# Altium PCB PCB.PcbDoc (part 1 of 2) (continued)
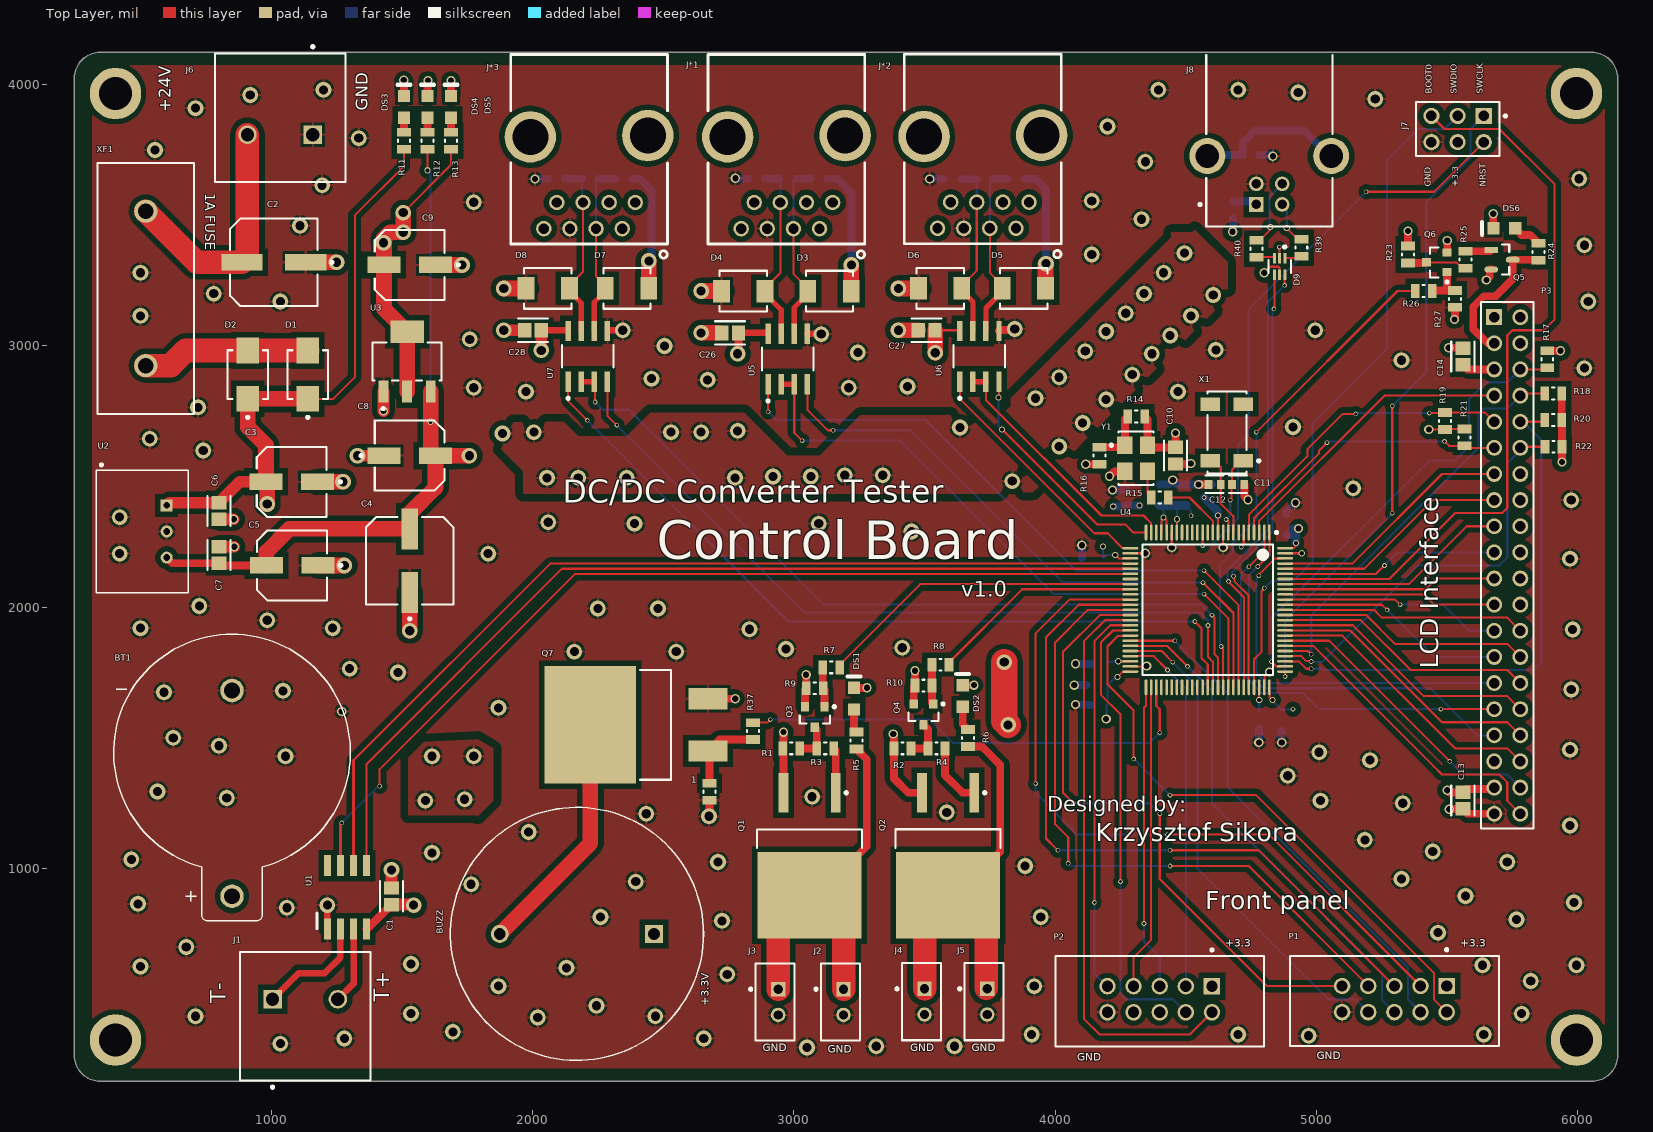
[diagram p0: Top Layer view]
## Components (designator, comment, footprint, x,y, rotation, side; value= is the part's Value field where it differs from the comment)
1 "1k" RESC2013X50X30LL20T20 2677,1294 r90 top
BT1 "1066" BAT_1066 850,1440 r0 top
C1 "100nF" FP-0805-L_2_01_0_2-W_1_25-IPC_B 1460,894 r90 top
C2 "22uF" FP-FCE-MFG 1010,3320 r180 top
C3 "10uF" FP-FKD-MFG 1078.43,2480 r180 top
C4 "22uF" FP-FCE-MFG 1530,2177.95 r90 top
C5 "10uF" FP-FKD-MFG 1080,2160 r180 top
C6 "100nF" FP-0805-L_2_01_0_2-W_1_25-IPC_B 800,2368.28 r270 top
C7 "100nF" FP-0805-L_2_01_0_2-W_1_25-IPC_B 800,2200 r90 top
C8 "1uF" FP-FKD-MFG 1530,2580 r0 top
C9 "2.2uF" FP-FKD-MFG 1530,3310 r180 top
C10 "10nF" FP-0805-L_2_01_0_2-W_1_25-IPC_B 4460,2580 r270 top
C11 "4.7p" FP-C0603C-CF-MFG 4700,2470 r0 top value="0.10 μF"
C12 "4.7p" FP-C0603C-CF-MFG 4610,2470 r0 top value="0.10 μF"
C13 "1uF" FP-0805-L_2_01_0_2-W_1_25-IPC_B 5560,1260 r270 top
C14 "1uF" FP-0805-L_2_01_0_2-W_1_25-IPC_B 5560,2960 r90 top
C15 "2.2uF" FP-0805-L_2_01_0_2-W_1_25-IPC_B 4165,1626 r180 bottom
C16 "2.2uF" FP-0805-L_2_01_0_2-W_1_25-IPC_B 4275,2417 r90 bottom
C17 "100nF" FP-CGA3E-0_3-0_1-IPC_A 4884,2316 r90 bottom
C18 "100nF" FP-CGA3E-0_3-0_1-IPC_A 4160,1702 r180 bottom
C19 "100nF" FP-CGA3E-0_3-0_1-IPC_A 4400,2430 r90 bottom
C20 "100nF" FP-CGA3E-0_3-0_1-IPC_A 4866,1568 r270 bottom
C21 "100nF" FP-CGA3E-0_3-0_1-IPC_A 4500,2430 r90 bottom
C22 "100nF" FP-CGA3E-0_3-0_1-IPC_A 4600,2430 r90 bottom
C23 "100nF" FP-CGA3E-0_3-0_1-IPC_A 4143,2189 r180 bottom
C24 "2.2uF" FP-0805-L_2_01_0_2-W_1_25-IPC_B 4166,1783 r180 bottom
C25 "2.2uF" FP-0805-L_2_01_0_2-W_1_25-IPC_B 4780,1568.28 r270 bottom
C26 "100nF" FP-0805-L_2_01_0_2-W_1_25-IPC_B 2756.46,3050 r180 top
C27 "100nF" FP-0805-L_2_01_0_2-W_1_25-IPC_B 3508.28,3060 r180 top
C28 "100nF" FP-0805-L_2_01_0_2-W_1_25-IPC_B 2001.34,3060 r180 top
D1 "MBRS130L" FP-403AF-MFG 1140,2890 r90 top
D2 "MBRS130L" FP-403AF-MFG 910,2890 r90 top
D3 "TVS" FP-SMB-MFG 3136.46,3210 r0 top
D4 "TVS" FP-SMB-MFG 2806.46,3210 r0 top
D5 "TVS" FP-SMB-MFG 3880,3220 r0 top
D6 "TVS" FP-SMB-MFG 3560,3220 r0 top
D7 "TVS" FP-SMB-MFG 2361.34,3220 r0 top
D8 "TVS" FP-SMB-MFG 2058.27,3220 r0 top
D9 "USBLC6-2P6" FP-SOT-666-MFG 4859,3304 r270 top
DS1 "LED" AVAG-HSMX-C170_V 3230,1650 r90 top
DS2 "LED" AVAG-HSMX-C170_V 3646,1660 r90 top
DS3 "LED" AVAG-HSMX-C170_V 1508,3915 r90 top
DS4 "LED" AVAG-HSMX-C170_V 1598,3915 r90 top
DS5 "LED" AVAG-HSMX-C170_V 1688,3915 r90 top
DS6 "LED" AVAG-HSMX-C170_V 5718.66,3450 r180 top
J1 "1714955" PHOE-1714955_V 1130,500 r0 top
J2 "JST" FP-B2B-EH-A_LF_SN-MFG 3178.19,489.21 r270 top
J3 "JST" FP-B2B-EH-A_LF_SN-MFG 2928.19,489.21 r270 top
J4 "JST" FP-B2B-EH-A_LF_SN-MFG 3488.19,490.79 r270 top
J5 "JST" FP-B2B-EH-A_LF_SN-MFG 3728.19,490.79 r270 top
J6 "1714955" PHOE-1714955_V 1034.16,3808.36 r180 top
J7 "M20-9980346" FP-M20-9980346-MFG 5540,3830 r180 top
J8 "67068-8011" FP-67068-8011-MFG 4819.21,3796.77 r180 top
J*1 "MTJ-880X1" MTJ-880X1 2996.46,3750 r180 top
J*2 "MTJ-880X1" MTJ-880X1 3748.16,3751.19 r180 top
J*3 "MTJ-880X1" MTJ-880X1 2241.34,3750 r180 top
P1 "30310-6002HB" 3M-30310-6002HB-10_V 5298.02,500.64 r180 top
P2 "30310-6002HB" 3M-30310-6002HB-10_V 4400,500 r180 top
P3 "TSW-120-24-F-D" SMTC-TSW-120-24-X-D 5680,3110 r270 top
Q1 "IPB80P03P4-05" INF-PG-TO263-3-2_N 3060,1049.84 r270 top
Q2 "IPB80P03P4-05" INF-PG-TO263-3-2_N 3590,1050 r270 top
Q3 "MMBTA42LT1G" ONSC-SOT-23-3-318-08_V 3080,1580 r270 top
Q4 "MMBTA42LT1G" ONSC-SOT-23-3-318-08_V 3496,1590 r270 top
Q5 "FDN360P" FP-527AG-IPC_B 5710,3330 r0 top
Q6 "MMBTA42LT1G" ONSC-SOT-23-3-318-08_V 5460,3320 r180 top
Q7 "IRF530NSTRLPBF" FP-PG-TO263-3-MFG 2340,1550 r90 top
R1 "10k" RESC2013X50X30LL20T20 2990,1460 r180 top
R2 "10k" RESC2013X50X30LL20T20 3416,1460 r180 top
R3 "1k" RESC2013X50X30LL20T20 3120,1460 r0 top
R4 "1k" RESC2013X50X30LL20T20 3546,1460 r0 top
R5 "2.2k" RESC2013X50X30LL20T20 3240,1490 r270 top
R6 "2.2k" RESC2013X50X30LL20T20 3666,1500 r270 top
R7 "1k" RESC2013X50X30LL20T20 3143,1770 r180 top
R8 "1k" RESC2013X50X30LL20T20 3561,1780 r180 top
R9 "100k" RESC2013X50X30LL20T20 3080,1690 r0 top
R10 "100k" RESC2013X50X30LL20T20 3496,1700 r0 top
R11 "2.2k" RESC2013X50X30LL20T20 1508,3785 r270 top
R12 "470" RESC2013X50X30LL20T20 1598,3785 r270 top
R13 "330" RESC2013X50X30LL20T20 1688,3785 r270 top
R14 "100k" RESC2013X50X30LL20T20 4310,2730 r0 top
R15 "100" RESC2013X50X30LL20T20 4400,2420 r0 top
R16 "100k" RESC2013X50X30LL20T20 4170,2580 r90 top
R17 "47k" RESC2013X50X30LL20T20 5883,2949 r90 top
R18 "47k" RESC2013X50X30LL20T20 5906,2818 r0 top
R19 "47k" RESC2013X50X30LL20T20 5492,2713 r270 top
R20 "47k" RESC2013X50X30LL20T20 5906,2717 r0 top
R21 "47k" RESC2013X50X30LL20T20 5566,2650 r90 top
R22 "47k" RESC2013X50X30LL20T20 5907,2614 r0 top
R23 "10k" RESC2013X50X30LL20T20 5350,3350 r90 top
R24 "470" RESC2013X50X30LL20T20 5850,3360 r270 top
R25 "1k" RESC2013X50X30LL20T20 5570,3330 r90 top
R26 "1k" RESC2013X50X30LL20T20 5410,3210 r0 top
R27 "100k" RESC2013X50X30LL20T20 5530,3180 r90 top
R28 "680" RESC2013X50X30LL20T20 3096.46,3640 r0 bottom
R29 "120" RESC2013X50X30LL20T20 2976.46,3640 r0 bottom
R30 "680" RESC2013X50X30LL20T20 2856.46,3640 r0 bottom
R31 "680" RESC2013X50X30LL20T20 3850,3640 r0 bottom
R32 "120" RESC2013X50X30LL20T20 3730,3640 r0 bottom
R33 "680" RESC2013X50X30LL20T20 3607.52,3640 r0 bottom
R34 "680" RESC2013X50X30LL20T20 2348.86,3640 r0 bottom
R35 "120" RESC2013X50X30LL20T20 2221.34,3640 r0 bottom
R36 "680" RESC2013X50X30LL20T20 2091.34,3640 r0 bottom
R37 "1k" RESC2013X50X30LL20T20 2844,1526 r270 top
R38 "0" RESC2013X50X30LL20T20 4680,3520 r270 bottom
R39 "27" RESC2013X50X30LL20T20 4942,3376 r270 top
R40 "27" RESC2013X50X30LL20T20 4770,3372 r270 top
R41 "0" RESC2013X50X30LL20T20 4750,3730 r180 bottom
U1 "MAX6675" SO08 1290,890 r0 top
U2 "AMSRI1-7805-NZ" SIP750W46P254L1400H1010Q3 530,2390 r270 top
U3 "TLV76133" FP-DCY0004A-MFG 1520,2940 r90 top
U4 "STM32F401VET6" STM-LQFP100_L 4583.74,1990 r270 top
U5 "MAX3485EESA+" FP-S8-5-MFG 2976.46,2950 r90 top
U6 "MAX3485EESA+" FP-S8-5-MFG 3710,2960 r90 top
U7 "MAX3485EESA+" FP-S8-5-MFG 2211.34,2960 r90 top
X1 "ABS25-32.768KHZ-6-T" ABRA-ABS25-4_V 4657.01,2668.27 r90 top
XF1 "Fuse 1A" 696106003002 520,3220 r270 top
Y1 "ASFL1-8.000MHZ-EK-T" FP-ASFL1-MFG 4310,2570 r270 top

## Footprints (in the part's own frame and the unit in brackets; to place one, negate y for a bottom-side part, rotate by r counter-clockwise, add the part's x,y. Pads: shape width x height; smd on the part's side, far side on the other; paste and mask are expansions set on the pad)
3M-30310-6002HB-10_V [mm] "CONN, 10-Leads, Body 20.3x8.4mm, Pitch 2.54mm"
  rect 1.6x1.6 hole 1.09: 1(-5.08,-1.27)
  round 1.6 hole 1.09: 2(-5.08,1.27) 3(-2.54,-1.27) 4(-2.54,1.27) 5(0,-1.27) 6(0,1.27) 7(2.54,-1.27) 8(2.54,1.27) 9(5.08,-1.27) 10(5.08,1.27)
  silkscreen extent -10.15,-4.92 10.15,4.58, body extent -10.15,-4.2 10.15,4.61, height 8.89
696106003002 [mm] "FUSEHOLDER BLOCKS - PCB - CLIP COVER - THT"
  round 2.25 hole 1.5: 1(-7.5,0) 2(7.5,0)
  silkscreen extent -12.2,-4.7 12.2,4.7, body extent -12.2,-4.7 12.2,4.7, height 11.55
ABRA-ABS25-4_V [mm] "SMD, 4-Leads, Body 8x3.8mm, Pitch 5.5mm, Height 2.5mm"
  rect 1.3x1.9 smd: 1(-2.75,-1.6) 2(2.75,-1.6) 3(2.75,1.6) 4(-2.75,1.6)
  silkscreen extent -4,-3.22 4,1.9, body extent -4,-2 4,2, height 2.66
AVAG-HSMX-C170_V [mm] "SMD, 2-Leads, Body 2x1.25mm, Height 0.8mm"
  rect 1.2x1.2 smd: 1(-1.05,0) 2(1.05,0)
  silkscreen extent 2.15,-0.63 2.15,0.63, body extent -1,-0.63 1,0.63, height 0.8
BAT_1066 [mm]
  round 2.28 hole 1.52: N(0,6.13) P(0,-13.87)
  silkscreen extent -11.5,-16.27 11.5,11.61, body extent -11.45,-16.13 11.56,11.81, height 7.75
FP-403AF-MFG [mm]
  rect 2.5x2.2 smd paste+0 mask+0: 1(-2.35,0) 2(2.35,0)
  silkscreen extent -4.27,-1.97 2.37,1.97, body extent -3.7,-2.07 3.7,2.07, height 0.25
FP-527AG-IPC_B [mm]
  rect 1.336x0.585 smd paste+0 mask+0: 1(-1.04,0.95)
  rrect100% 1.336x0.585 smd paste+0 mask+0: 2(-1.04,-0.95) 3(1.04,0)
  silkscreen extent 0,-1.46 0.7,1.46, body extent -1.96,-1.71 1.96,1.71, height 0.25
FP-0805-L_2_01_0_2-W_1_25-IPC_B [mil]
  rect 51.36x57.33 smd paste+0 mask+0: 1(-31.72,0) 2(31.72,0)
  silkscreen extent -57,-44 57,44, body extent -67,-39 67,39, height 10
FP-67068-8011-MFG [mm]
  rect 1.42x1.42 hole 0.92 paste-2539.97 mask+0: 1(1.25,6.49)
  round 1.42 hole 0.92 paste-2539.97 mask+0: 2(-1.25,6.49) 3(-1.25,4.49) 4(1.25,4.49)
  round 3.5 hole 2.3 paste-2539.97 mask+0: 5(-6.02,1.78) 6(6.02,1.78)
  silkscreen extent -6.12,-8.05 6.85,8.62, body extent -7.87,-8.72 7.87,8.72, height 0.25
FP-ASFL1-MFG [mm]
  rect 1.7x1.5 smd paste+0 mask+0: 1(-1.27,-1.1) 2(1.27,-1.1) 3(1.27,1.1) 4(-1.27,1.1)
  silkscreen extent -2.6,-2.54 2.6,1.7, body extent -2.5,-1.6 2.5,1.6, height 1.3
FP-B2B-EH-A_LF_SN-MFG [mm]
  rect 1.4x1.4 hole 0.9 paste-2539.97 mask+0: 1(-1.25,0.3)
  round 1.4 hole 0.9 paste-2539.97 mask+0: 2(1.25,0.3)
  silkscreen extent -3.75,-2.5 3.75,1.9, body extent -3.85,-2 3.85,2, height 0.25
FP-C0603C-CF-MFG [mm]
  rect 0.75x0.9 smd paste+0 mask+0: 1(-0.6,0) 2(0.6,0)
  silkscreen extent -0.87,-0.85 0.88,0.85, body extent -1.2,-0.6 1.2,0.6, height 0.25
FP-CGA3E-0_3-0_1-IPC_A [mm]
  rect 0.956x1.206 smd paste+0 mask+0: 1(-1.025,0) 2(1.025,0)
  silkscreen extent -0.25,-0.6 0.25,0.6, body extent -0.8,-0.4 0.8,0.4, height 1.1
FP-DCY0004A-MFG [mm]
  rect 2.15x0.95 smd paste+0 mask+0: 1(-2.9,2.3) 2(-2.9,0) 3(-2.9,-2.3)
  rect 2.15x3.25 smd paste+0 mask+0: 4(2.9,0)
  silkscreen extent -4.7,-3.35 1.85,3.35, body extent -4.08,-3.45 4.08,3.45, height 0.25
FP-FCE-MFG [mm]
  rect 4x1.6 smd paste+0 mask+0: 1(-3.1,0) 2(3.1,0)
  silkscreen extent -5.77,-4.25 4.25,4.25, body extent -5.35,-4.5 5.35,4.5, height 0.25
FP-FKD-MFG [mm]
  rect 3.2x1.6 smd paste+0 mask+0: 1(-2.5,0) 2(2.5,0)
  silkscreen extent -4.85,-3.4 3.4,3.4, body extent -4.35,-3.65 4.35,3.65, height 0.25
FP-M20-9980346-MFG [mm]
  rect 1.57x1.57 hole 1.02 paste-2539.97 mask+0: 1(-2.54,-1.27)
  round 1.57 hole 1.02 paste-2539.97 mask+0: 2(-2.54,1.27) 3(0,-1.27) 4(0,1.27) 5(2.54,-1.27) 6(2.54,1.27)
  silkscreen extent -4.76,-2.64 4.06,2.64, body extent -4.16,-2.74 4.16,2.74, height 0.25
FP-PG-TO263-3-MFG [mm]
  rect 2.08x3.81 smd paste+0 mask+0: 1(-2.54,-8.417) 3(2.54,-8.417)
  rect 11.43x8.89 smd paste+0 mask+0: 4(0,3.013)
  silkscreen extent -5.34,-4.82 5.34,-1.81, body extent -4.75,-8.39 5.41,6.85, height 4.83
FP-S8-5-MFG [mm]
  rect 1.98x0.53 smd paste+0 mask+0: 1(-2.465,1.905) 2(-2.465,0.635) 3(-2.465,-0.635) 4(-2.465,-1.905) 5(2.465,-1.905) 6(2.465,-0.635) 7(2.465,0.635) 8(2.465,1.905)
  silkscreen extent -4.2,-2.5 1.1,2.5, body extent -3.55,-2.75 3.55,2.75, height 0.25
FP-SMB-MFG [mm]
  rect 1.62x2.18 smd paste+0 mask+0: 1(-2.11,0) 2(2.11,0)
  silkscreen extent -2.3,-1.97 2.3,1.97, body extent -2.68,-1.81 2.68,1.81, height 2.65
FP-SOT-666-MFG [mm]
  rect 0.99x0.3 smd paste+0 mask+0: 1(-0.805,0.5) 2(-0.805,0) 3(-0.805,-0.5) 4(0.805,-0.5) 5(0.805,0) 6(0.805,0.5)
  silkscreen extent -2.02,-1.1 0.65,1.1, body extent -1.4,-0.95 1.4,0.95, height 0.25
INF-PG-TO263-3-2_N [mm] "DPAK, 3-Leads, Body 10x9.25mm, Pitch 2.54mm, IPC Medium Density"
  rect 3.85x0.95 smd: 1(-6.1,2.54) 3(-6.1,-2.54)
  rect 8.4x10.1 smd: 2(3.85,0)
  silkscreen extent -6.22,-5.1 -0.75,5.1, body extent -2.55,-5.1 6.9,5.1, height 4.4
MTJ-880X1 [mm]
  round 1.5 hole 1: 1(-3.857,5.11) 2(-2.587,7.65) 3(-1.317,5.11) 4(-0.047,7.65) 5(1.223,5.11) 6(2.493,7.65) 7(3.763,5.11) 8(5.033,7.65)
  round 5 hole 3.5: MNT2(6.35,-1.27) MTN1(-5.08,-1.397)
  silkscreen extent -6.99,-9.27 8.26,10.52, body extent -7.11,-9.26 8.13,9, height 12
ONSC-SOT-23-3-318-08_V [mm] "SOT23, 3-Leads, Body 2.92x1.3mm, Pitch 0.95mm"
  rect 0.9x0.8 smd: 1(-1,0.95) 2(-1,-0.95) 3(1,0)
  silkscreen extent -1.12,-1.46 0.65,2.03, body extent -0.65,-1.46 0.65,1.46, height 1.11
PHOE-1714955_V [mm] "Terminal Block, 2-Leads, Body 12.7x12.5mm, Pitch 6.35mm"
  rect 1.8x1.8 hole 1.3: 1(-3.175,0)
  round 1.8 hole 1.3: 2(3.175,0)
  silkscreen extent -6.35,-8.67 6.35,4.6, body extent -6.92,-7.9 6.35,4.6, height 21.51
RESC2013X50X30LL20T20 [mm] "Chip Resistor, 2-Leads, Body 2.00x1.25mm, IPC High Density"
  rect 0.85x1.35 smd: 1(-0.825,0) 2(0.825,0)
  silkscreen extent -0.1,-0.58 0.1,0.58, body extent -1.1,-0.72 1.1,0.72, height 0.5
SIP750W46P254L1400H1010Q3 [mil]
  rect 45.98x45.98 / inner round 45.98 / far side rect 45.98x45.98 hole 25.98: 1(0,70)
  round 45.98 hole 25.98: 2(100,70) 3(200,70)
  silkscreen extent -159,-200 335,153, body extent -126,-200 326,154, height 689
SMTC-TSW-120-24-X-D [mm] ".025 SQ Post Terminal Strip Assembly, 2x20 Pins, Vertical, 2.54mm Pitch, Male"
  rect 1.55x1.55 hole 1.02: 1(0,0)
  round 1.55 hole 1.02: 2(0,2.54) 3(2.54,0) 4(2.54,2.54) 5(5.08,0) 6(5.08,2.54) 7(7.62,0) 8(7.62,2.54) 9(10.16,0) 10(10.16,2.54) 11(12.7,0) 12(12.7,2.54) 13(15.24,0) 14(15.24,2.54) 15(17.78,0) 16(17.78,2.54) 17(20.32,0) 18(20.32,2.54) 19(22.86,0) 20(22.86,2.54) 21(25.4,0) 22(25.4,2.54) 23(27.94,0) 24(27.94,2.54) 25(30.48,0) 26(30.48,2.54) 27(33.02,0) 28(33.02,2.54) 29(35.56,0) 30(35.56,2.54) 31(38.1,0) 32(38.1,2.54) 33(40.64,0) 34(40.64,2.54) 35(43.18,0) 36(43.18,2.54) 37(45.72,0) 38(45.72,2.54) 39(48.26,0) 40(48.26,2.54)
  silkscreen extent -1.46,-1.27 49.72,3.81, body extent -1.27,-1.27 49.53,3.81, height 9.27
SO08 [mil]
  rect 26x80 smd: 1(-75,-121) 2(-25,-121) 3(25,-121) 4(75,-121) 5(75,121) 6(25,121) 7(-25,121) 8(-75,121)
  silkscreen extent -115,-120 -115,-60, body extent -96,-118 96,118, height 69
STM-LQFP100_L [mm] "Thin QFP, 100-Leads, Body 14x14mm, Pitch 0.5mm, IPC High Density"
  oval 1.55x0.25 smd: 1(-7.525,6) 2(-7.525,5.5) 3(-7.525,5) 4(-7.525,4.5) 5(-7.525,4) 6(-7.525,3.5) 7(-7.525,3) 8(-7.525,2.5) 9(-7.525,2) 10(-7.525,1.5) 11(-7.525,1) 12(-7.525,0.5) 13(-7.525,0) 14(-7.525,-0.5) 15(-7.525,-1) 16(-7.525,-1.5) 17(-7.525,-2) 18(-7.525,-2.5) 19(-7.525,-3) 20(-7.525,-3.5) 21(-7.525,-4) 22(-7.525,-4.5) 23(-7.525,-5) 24(-7.525,-5.5) 25(-7.525,-6) 51(7.525,-6) 52(7.525,-5.5) 53(7.525,-5) 54(7.525,-4.5) 55(7.525,-4) 56(7.525,-3.5) 57(7.525,-3) 58(7.525,-2.5) 59(7.525,-2) 60(7.525,-1.5) 61(7.525,-1) 62(7.525,-0.5) 63(7.525,0) 64(7.525,0.5) 65(7.525,1) 66(7.525,1.5) 67(7.525,2) 68(7.525,2.5) 69(7.525,3) 70(7.525,3.5) 71(7.525,4) 72(7.525,4.5) 73(7.525,5) 74(7.525,5.5) 75(7.525,6)
  oval 0.25x1.55 smd: 26(-6,-7.525) 27(-5.5,-7.525) 28(-5,-7.525) 29(-4.5,-7.525) 30(-4,-7.525) 31(-3.5,-7.525) 32(-3,-7.525) 33(-2.5,-7.525) 34(-2,-7.525) 35(-1.5,-7.525) 36(-1,-7.525) 37(-0.5,-7.525) 38(0,-7.525) 39(0.5,-7.525) 40(1,-7.525) 41(1.5,-7.525) 42(2,-7.525) 43(2.5,-7.525) 44(3,-7.525) 45(3.5,-7.525) 46(4,-7.525) 47(4.5,-7.525) 48(5,-7.525) 49(5.5,-7.525) 50(6,-7.525) 76(6,7.525) 77(5.5,7.525) 78(5,7.525) 79(4.5,7.525) 80(4,7.525) 81(3.5,7.525) 82(3,7.525) 83(2.5,7.525) 84(2,7.525) 85(1.5,7.525) 86(1,7.525) 87(0.5,7.525) 88(0,7.525) 89(-0.5,7.525) 90(-1,7.525) 91(-1.5,7.525) 92(-2,7.525) 93(-2.5,7.525) 94(-3,7.525) 95(-3.5,7.525) 96(-4,7.525) 97(-4.5,7.525) 98(-5,7.525) 99(-5.5,7.525) 100(-6,7.525)
  silkscreen extent -7.65,-6.35 6.35,6.8, body extent -7,-7 7,7, height 1.6

## Part data
1 R1 R2 R3 R4 R5 R6 R7 R8 R9 R10 R11 R12 R13 R14 R15 R16 R17 R18 R19 R20 R21 R22 R23 R24 R25 R26 R27 R28 R29 R30 R31 R32 R33 R34 R35 R36 R37 R38 R39 R40 R41: library part CMP-2001-04896-1, Manufacturer="Vishay Dale", Part Number=CRCW08050000Z0EA
BT1: Package=None, Availability=Unavailable, MP=1066, Price=None
C1 C26 C27 C28: library part CMP-2007-04174-2, "General Purpose Ceramic Capacitor, 0805, 100nF, 10%, X7R, 15%, 100V", Case Code (Imperial)=0805, Case Code (Metric)=2012, Dielectric=X7R, Dielectric Material=Ceramic, Max Operating Temperature=125°C, Min Operating Temperature=-55°C, Package Quantity=2000, Tolerance=10%, Voltage=100V, Capacitance=100nF, Case/Package=0805, Construction=Flat, Contact Plating=Tin, Depth=1.25mm, Height=1.4mm, Lead Free="Lead Free", Length=2.01mm, Mount="Surface Mount", Number of Pins=2, Packaging="Tape and Reel", Radiation Hardening=No, REACH SVHC="No SVHC", RoHS Compliant=Yes, Series=-, Termination=SMD/SMT, Thickness=0.055inch, Voltage Rating=100V, Voltage Rating (DC)=100V, Width=0.049inch
C2 C4: library part CMP-05427-002128-1, "CAP ALUM 22UF 20% 50V SMD", Case/Package=Radial, Dielectric Material=Aluminium, ESR (Equivalent Series Resistance)=700mR, Leakage Current=3uA, Max Operating Temperature=105°C, Min Operating Temperature=-40°C, Package Quantity=1000, Ripple Current=120mA, Tolerance=20%, Voltage=50V, Capacitance=22uF, Construction=Cylindrical, Contact Plating=Tin, Diameter=8mm, Height=6.2mm, Height - Seated (Max)=0.244inch, Impedance=700mR, Lead Free="Lead Free", Lead Length=3.4mm, Lead Pitch=2.2mm, Length=6.5mm, Life (Hours)=1000Hour, Material=Aluminium, Mount="Surface Mount", Number of Pins=2, Packaging="Tape and Reel", Polarity=Polar, Radiation Hardening=No, Reach SVHC Compliant=Yes, Ripple Current (AC)=120mA, RoHS Compliant=Yes, Series=FC, Termination=SMD/SMT, Voltage Rating=50V, Voltage Rating (DC)=50V, Width=8.3mm
C3 C5: library part CMP-2000-06207-2, "CAP ALUM 10UF 20% 50V SMD", Case/Package=Radial, ESR (Equivalent Series Resistance)=880mR, Leakage Current=3uA, Max Operating Temperature=105°C, Min Operating Temperature=-55°C, Package Quantity=1000, Ripple Current=165mA, Tolerance=20%, Voltage=50V, Capacitance=10uF, Construction=Cylindrical, Contact Plating=Tin, Diameter=6.3mm, Height=5.8mm, Height - Seated (Max)=0.24inch, Impedance=880mR, Lead Diameter=0.65mm, Lead Free="Lead Free", Lead Pitch=1.8mm, Length=5.8mm, Life (Hours)=2000Hour, Mount="Surface Mount", Number of Pins=2, Packaging="Tape and Reel", Polarity=Polar, Radiation Hardening=No, REACH SVHC="No SVHC", Ripple Current (AC)=165mA, RoHS Compliant=Yes, Series=FK, Size=5.8mm, Termination=SMD/SMT, Voltage Rating=50V, Voltage Rating (DC)=50V, Width=7.8mm
C6 C7: library part CMP-2007-04174-2, "General Purpose Ceramic Capacitor, 0805, 10nF, 10%, X7R, 15%, 100V", Case Code (Imperial)=0805, Case Code (Metric)=2012, Dielectric=X7R, Dielectric Material=Ceramic, Max Operating Temperature=125°C, Min Operating Temperature=-55°C, Package Quantity=2000, Tolerance=10%, Voltage=100V, Capacitance=100nF, Case/Package=0805, Construction=Flat, Contact Plating=Tin, Depth=1.25mm, Height=1.4mm, Lead Free="Lead Free", Length=2.01mm, Mount="Surface Mount", Number of Pins=2, Packaging="Tape and Reel", Radiation Hardening=No, REACH SVHC="No SVHC", RoHS Compliant=Yes, Series=-, Termination=SMD/SMT, Thickness=0.055inch, Voltage Rating=100V, Voltage Rating (DC)=100V, Width=0.049inch
C8 C9: library part CMP-2000-06207-2, "CAP ALUM 10UF 20% 50V SMD", Capacitance=10uF, Case/Package=Radial, ESR (Equivalent Series Resistance)=880mR, Leakage Current=3uA, Max Operating Temperature=105°C, Min Operating Temperature=-55°C, Package Quantity=1000, Ripple Current=165mA, Tolerance=20%, Voltage=50V, Construction=Cylindrical, Contact Plating=Tin, Diameter=6.3mm, Height=5.8mm, Height - Seated (Max)=0.24inch, Impedance=880mR, Lead Diameter=0.65mm, Lead Free="Lead Free", Lead Pitch=1.8mm, Length=5.8mm, Life (Hours)=2000Hour, Mount="Surface Mount", Number of Pins=2, Packaging="Tape and Reel", Polarity=Polar, Radiation Hardening=No, REACH SVHC="No SVHC", Ripple Current (AC)=165mA, RoHS Compliant=Yes, Series=FK, Size=5.8mm, Termination=SMD/SMT, Voltage Rating=50V, Voltage Rating (DC)=50V, Width=7.8mm
C10 C15 C16 C24 C25: library part CMP-2007-04174-2, "General Purpose Ceramic Capacitor, 0805, 10nF, 10%, X7R, 15%, 100V", Capacitance=100nF, Case Code (Imperial)=0805, Case Code (Metric)=2012, Dielectric=X7R, Dielectric Material=Ceramic, Max Operating Temperature=125°C, Min Operating Temperature=-55°C, Package Quantity=2000, Tolerance=10%, Voltage=100V, Case/Package=0805, Construction=Flat, Contact Plating=Tin, Depth=1.25mm, Height=1.4mm, Lead Free="Lead Free", Length=2.01mm, Mount="Surface Mount", Number of Pins=2, Packaging="Tape and Reel", Radiation Hardening=No, REACH SVHC="No SVHC", RoHS Compliant=Yes, Series=-, Termination=SMD/SMT, Thickness=0.055inch, Voltage Rating=100V, Voltage Rating (DC)=100V, Width=0.049inch
C11 C12: library part CMP-2006-03061-2, "CAP CER 0.1UF 50V X7R 0603", Capacitance="0.10 μF", Manufacturer=KEMET, Manufacturer Part Number=C0603C104K5RACTU, Package=C0603C-CF, Temperature="-55°C to +125°C", Temperature Characteristic=X7R, Temperature Coefficient=30ppm/°C, Temperature Range High=+125°C, Temperature Range Low=-55°C, Tolerance=0.1, Voltage Rating="50 V", Automotive=Yes, Automotive Grade="Grade 1", Category=Cap, ComponentLink2Description=Datasheet, ComponentLink2URL=https://api.kemet.com/component-edge/download/datasheet/C0603C100J5GACAUTO.pdf, Device Class L1="Passive Components", Device Class L2=Capacitors, Device Class L3="Ceramic Capacitors", Digikey Description="CAP CER 0.1UF 50V X7R 0603", Height=0.87mm, Lead Free=Yes, Material=Ceramic, Octopart=https://octopart.com/c0603c104k5ractu-kemet-139244, RoHS=TRUE
C13 C14: library part CMP-2007-04174-2, "General Purpose Ceramic Capacitor, 0805, 100nF, 10%, X7R, 15%, 100V", Capacitance=100nF, Case Code (Imperial)=0805, Case Code (Metric)=2012, Dielectric=X7R, Dielectric Material=Ceramic, Max Operating Temperature=125°C, Min Operating Temperature=-55°C, Package Quantity=2000, Tolerance=10%, Voltage=100V, Case/Package=0805, Construction=Flat, Contact Plating=Tin, Depth=1.25mm, Height=1.4mm, Lead Free="Lead Free", Length=2.01mm, Mount="Surface Mount", Number of Pins=2, Packaging="Tape and Reel", Radiation Hardening=No, REACH SVHC="No SVHC", RoHS Compliant=Yes, Series=-, Termination=SMD/SMT, Thickness=0.055inch, Voltage Rating=100V, Voltage Rating (DC)=100V, Width=0.049inch
C17 C18 C19 C20 C21 C22 C23: library part CMP-2000-07546-2, "Cap Ceramic 100nF 50V X7R 10% Pad SMD 0603 +125°C Automotive T/R", Case Code (Imperial)=0603, Case Code (Metric)=1608, Dielectric=X7R, Max Operating Temperature=125°C, Min Operating Temperature=-55°C, Package Quantity=1, Ratings=AEC-Q200, Tolerance=10%, Voltage=50V, Capacitance=100nF, Case/Package=0603, Composition=Ceramic, Depth=0.8mm, Height=0.8mm, Lead Free="Lead Free", Length=1.6mm, Mount="Surface Mount", Packaging="Tape and Reel", Radiation Hardening=No, REACH SVHC="No SVHC", Termination=SMD/SMT, Thickness=0.035inch, Voltage Rating=50V, Voltage Rating (DC)=50V, Weight=7.1E-05oz, Width=0.8mm
D1 D2: library part CMP-00278-20916186-1, "MBRS130L Rectifier Diode, Schottky, 1 Phase, 1 Element, 2A, 30V V(RRM), Silicon, DO-214AA", Average Rectified Current=2A, Case/Package=SMB, Current Rating=1A, Forward Voltage=445mV, Manufacturer Lifecycle Status=OBSOLETE, Max Forward Surge Current (Ifsm)=40A, Max Junction Temperature (Tj)=125°C, Max Repetitive Reverse Voltage (Vrrm)=30V, Max Reverse Leakage Current=1mA, Min Operating Temperature=-65°C, Element Configuration=Single, Forward Current=2A, Height=2.45mm, Lead Free="Lead Free", Length=4.75mm, Lifecycle Status=Obsolete, Max Operating Temperature=125°C, Max Reverse Voltage (DC)=30V, Max Surge Current=40A, Mount="Surface Mount", NexarPartId=20916186, Number of Pins=2, Output Current=1A, Packaging="Cut Tape", Peak Non-Repetitive Surge Current=40A, Peak Reverse Current=1mA, Polarity=Standard, Radiation Hardening=No, REACH SVHC="No SVHC", RoHS=Compliant, Schedule B=8541100080, Voltage Rating (DC)=30V, Weight=180mg, Width=3.95mm
D3 D4 D5 D6 D7 D8: library part CMP-12225-000039-1, "TVS DIODE 28.2V 59V SMB", Breakdown Voltage=31.4V, Clamping Voltage=59V, Manufacturer=STMicroelectronics, Manufacturer Part Number=SM6T33CA, Max Junction Temp=+150°C, Package=SMB, Peak Pulse Current=68A, Peak Pulse Power=600W, Reverse Standoff Voltage=33V, Temperature="-55°C to +150°C", Temperature Range Low=-55°C, Automotive=No, Category=Diode, ComponentLink2Description=Datasheet, ComponentLink2URL=https://www.st.com/resource/en/datasheet/sm6t.pdf, Device Class L1="Circuit Protection", Device Class L2="TVS Diodes", Device Class L3=unset, Digikey Description="TVS DIODE 28.2V 59V SMB", Direction=Bidirectional, Height=2.65mm, Lead Free=Yes, Mouser Description="TVS Diodes - Transient Voltage Suppressors 600W 33V Bidirect", Number Of Channels=1, Octopart=https://octopart.com/sm6t33ca-stmicroelectronics-55399331, RoHS=TRUE, Standoff Height=0.05mm, Temperature Range High=+150°C
D9: library part CMP-12225-000058-1, "TVS DIODE 5.25V 17V SOT666", Breakdown Voltage=6V, Capacitance=3.5pF, Case/Package=SOT-666, Clamping Voltage=17V, Leakage Current=150nA, Max Operating Temperature=125°C, Min Operating Temperature=-40°C, Operating Supply Voltage=5V, Package Quantity=1, Peak Pulse Current=5A, Power Line Protection=Yes, Test Current=1mA, Contact Plating=Tin, Depth=1.3mm, Direction=Unidirectional, Element Configuration=Dual, ESD Protection=Yes, Height=0.6mm, Lead Free="Lead Free", Length=1.7mm, Max Breakdown Voltage=6V, Max Reverse Leakage Current=150nA, Min Breakdown Voltage=6V, Mount="Surface Mount", Number of Bidirectional Channels=2, Number Of Channels=2, Number of Elements=1, Number of Pins=6, Packaging="Tape and Reel", Polarity=Unidirectional, Radiation Hardening=No, REACH SVHC="No SVHC", Reverse Breakdown Voltage=6V, Reverse Standoff Voltage=5V, Termination=SMD/SMT, Width=1.3mm, Working Voltage=5V
DS1 DS2 DS3 DS4 DS5 DS6: library part CMP-2000-05062-1, "Chip LED, Green, 2.2 V, -40 to 85 degC, 2-Pin SMD, Pb-Free, Tape and Reel", Forward Current If=20mA, Forward Voltage=2.2V, Forward Voltage VF Max=2.6V, LED Colour=Green, Manufacturer=Avago, Operating Temperature Max=85degC, Operating Temperature Min=-30degC, Operating Temperature Range=-30degCto+85degC, Opto Case Style=SMD, Package Description="2-Pin Surface Mount Device, Body 2 x 1.25 mm, Height 0.8 mm", Package Reference=HSMX-C170, Storage Temperature Min=-40degC, Bulb Size=1.25mmx1.4mm, Datasheet URL=https://datasheet.ciiva.com/29280/180495-da-01-en-chip-led-hsmg-c170-gelb-gruen-29280971.pdf, Datasheet Version=Oct-08, Dominant Wavelength=572nm, Dominant Wavelength Typ=572nm, External Depth=0.8mm, External Length / Height=2mm, External Width=1.25mm, Forward Current If Max=20mA, LED Mounting=SMD, LED Type=Standard, Lens Shape=Rectangular, Light Area Height=1mm, Luminous Intensity=15mcd, Luminous Intensity Min=4mcd, Luminous Intensity Typ=15mcd, Manufacturer URL=http://www.avagotech.com/, Mounting Type=SMD, MSL=MSL2A-4weeks, No. of Pins=2, Opto Mounting Orientation=Top, Packaging=CutTape, Peak Forward Current=20mA, Peak Wavelength=570nm, PIV Max=5V, Storage Temperature Max=85degC, SVHC=NoSVHC(16-Jun-2014), Viewing Angle=170deg, Voltage Vf Typ=2.2V, Wavelength Typ=570nm
J1 J6: library part CMP-2000-05797-1, "PC Terminal Block, Pitch 6.35 mm, 1 x 2 Position, Height 21.5 mm, Tail Lenght 5.1 mm, RoHS, Bulk", Manufacturer="Phoenix Contact", Package Description="PC Terminal Block, Pitch 6.35 mm, 1 x 2 Position, Height 21.5 mm, Tail Lenght 5.1 mm", Datasheet URL=http://media.digikey.com/pdf/Data%20Sheets/Phoenix%20Contact%20PDFs/1714955.pdf, Datasheet Version=02/2010, Manufacturer URL=http://www.phoenixcontact.com/, Mounting Technology=ThroughHole, Package Reference=1714955
J2 J3 J4 J5: library part CMP-17439-000026-1, "CONN HEADER VERT 2POS 2.5MM", Color=Natural, Contact Resistance=20mR, Current Rating=3A, Housing Color=White, Max Operating Temperature=85°C, Max Voltage Rating (AC)=250V, Min Operating Temperature=-25°C, Connector Type=Plug, Contact Material="Copper Alloy", Contact Mating Length=0.13inch, Contact Plating=Tin, Contact Type="Male Pin", Depth=3.8mm, Fastening Type=Detent, Gender=Male, Housing Material=Nylon, Lead Free="Lead Free", Length=7.5mm, Max Current Rating=3A, Mount="Through Hole", Number of Contacts=2, Number of Positions=2, Number of Rows=1, Orientation=Straight, Packaging=Bulk, Pitch=2.5mm, Series=EH, Termination=Press-Fit, Voltage Rating=250V
J7: library part CMP-2000-06636-2, "CONN HEADER VERT 6POS 2.54MM", Current Rating=3A, Manufacturer=Harwin, Temperature="-40°C to +105°C", Temperature Range High=+105°C, Temperature Range Low=-40°C, Automotive=No, Category=Conn, ComponentLink2Description=Datasheet, ComponentLink2URL=https://cdn.harwin.com/pdfs/M20-998.pdf, Conn Gender=Male, Conn Orientation=Vertical, Contact Material=Tin,Nickel, Device Class L1=Connectors, Device Class L2="Headers and Wire Housings", Device Class L3=unset, Digikey Description="CONN HEADER VERT 6POS 2.54MM", Height=8.99mm, Lead Free=Yes, Manufacturer Part Number=M20-9980346, Mouser Description="2.54mm (0.1\") Pitch DIL Vertical PC Tail Pin Header, 6.1mm mating pin height, tin, 3+3 contacts", Number of Contacts=6, Number of Rows=2, Octopart=https://octopart.com/m20-9980346-harwin-5436545, Package=M20-9980346, Pitch=2.54mm, RoHS=TRUE
J8: library part CMP-00257-00942133-1, "67068-8011 Conn USB 2.0 Type B RCP 4 POS 2.5mm Solder RA Thru-Hole 4 Terminal 1 Port USB 2.0 Tray", Color=White, Current Rating=1.5A, Max Operating Temperature=50°C, Max Voltage Rating (AC)=30V, Min Operating Temperature=0°C, Connector Type="Receptacle, USB", Contact Material="Bronze, Gold, Nickel", Contact Plating=Gold, Depth=17mm, Gender=Receptacle, Height=11.25mm, Housing Material=Nylon, Lead Pitch=2.5mm, Length=12mm, Mount="Through Hole", NexarPartId=942133, Number of Circuits=4, Number of Contacts=4, Number of Ports=1, Number of Positions=4, Number of Rows=2, Number of Terminals=4, Orientation="Right Angle", Pitch=2.5mm, Radiation Hardening=No, REACH SVHC=Unknown, RoHS=Compliant, Schedule B=8536695050, Termination=Solder, USB Standard="USB 2.0", Voltage Rating=30V
P1 P2: library part CMP-2000-05031-1, "Male Header, Pitch 2.54 mm, 2 x 5 Position, Height 9.3 mm, Tail Length 2.79 mm, -55 to 105 degC, RoHS, Bulk", Current Rating=1A, Manufacturer=3M, Brand=3MElectronicSolutionsDivision, Contact Gender=Pin(Male), Contact Material=Brass, Contact Plating=Gold, Datasheet URL=http://datasheet.octopart.com/30310-6002HB-3M-datasheet-11537585.pdf, Datasheet Version=Apr-12, Factory Pack Quantity=1000, Housing Material=Polyester, Manufacturer URL=http://www.3m.com/, Mating Post Length=5.99mm, Mounting Angle=Straight, Mounting Style=StraightPin, Number of Positions=10Position, Number of Rows=2Row, Packaging=Tray, Pitch=2.54mm, Product=Headers, Product Category=Headers&WireHousings, RoHS=Details, Row Spacing=2.54mm, Series=303, Termination Post Length=2.79mm, Termination Style=ThroughHole, Type=Shrouded
P3: library part CMP-1024-00453-1, "0.025\" SQ Post Header, Through-hole, Vertical, -55 to 125 degC, 2.54 mm Pitch, 40-Pin, Male, RoHS", Manufacturer=Samtec, Temperature Range="-55 to 125 degC", ComponentLink1Description="Manufacturer URL", ComponentLink1URL=http://www.samtec.com, ComponentLink2Description=Datasheet, ComponentLink2URL=http://www.samtec.com/documents/webfiles/pdf/TSW_TH.PDF, ComponentLink3Description="Package Specification", ComponentLink3URL=http://www.samtec.com/documents/webfiles/cpdf/TSW-XXX-XX-XXX-X-XX-XXX-MKT.pdf, DatasheetVersion=F-214, Mounting Technology=Through-hole, Orientation=Vertical, PackageDescription=".025[0.64] SQ. Post Terminal Strip Assembly", PackageReference=TSW-120-24-X-D, PackageVersion="DM, 8/1988", PartNumber=TSW-120-24-F-D, Pitch="2.54 mm", RoHS=True
Q1 Q2: library part CMP-1138-00228-1, "OptiMOS-P2 Power-Transistor, -30 V VDS, -80 A ID, PG-TO263-3-2, Reel, Green", Manufacturer=Infineon, ComponentLink1Description="Manufacturer URL", ComponentLink1URL=http://www.infineon.com/, ComponentLink2Description=Datasheet, ComponentLink2URL=http://www.infineon.com/dgdl/IPP_B_I80P03P4-05_DS_10.pdf?folderId=db3a304314dca3890114ef902baa05f9&fileId=db3a30431ddc9372011e07ef59f52807&location=en.Products.Automotive_ICs.Automotive_MOSFETs.Single__P-Channel_30V_MOSFETs.DATASHEET.IPP_B_I80P03P4-05_DS_1, ComponentLink3Description="Package Specification", ComponentLink3URL=http://www.infineon.com/dgdl/BTS141TC_DS_10.pdf?folderId=db3a3043163797a6011667aa084c0e01&fileId=db3a3043242ebc9e01242f43f58b003e&location=en.Products.Automotive_ICs.Smart_High-_and_Low-Side_Switches.HITFET___TEMPFET__-_Smart_Low-Side_Switches.DATASHEET.BT, DatasheetVersion="Rev. 1.0", Green=TRUE, Halogen-free=TRUE, ID (max)="-80 A", IDpuls (max)="-320 A", Mounting Technology="Surface Mount", PackageDescription="3-Pin Plastic (Green) Transistor Single Outline Package, 10 x 9.25 mm Body, 2.54 mm Pitch", PackageReference=PG-TO263-3-2, PackageVersion=Jul-09, Packing=Reel, PartNumber=IPB80P03P4-05, Ptot (max)="137 W", QG="100 nC", RDS (on) (max) (@10V)="4.7 mOhm", RthJC (max)="1.1 K/W", Technology=OptiMOS-P2, VDS (max)="-30 V", VGS(th) (max)="-4 V", VGS(th) (min)="-2 V"
Q3 Q4 Q6: library part CMP-1048-00662-1, "High Voltage Transistor, NPN Silicon, 3-Pin SOT-23, Pb-Free, Tape and Reel", Manufacturer="On Semiconductor", ComponentLink1Description="Manufacturer URL", ComponentLink1URL=http://www.onsemi.com/, ComponentLink2Description=Datasheet, ComponentLink2URL=http://www.onsemi.cn/pub_link/Collateral/MMBTA42LT1-D.PDF, ComponentLink3Description="Package Specification", ComponentLink3URL=http://www.onsemi.cn/pub_link/Collateral/318-08.PDF, DatasheetVersion="Rev. 12", fT Min (MHz)=50, IC Continuous (A)=0.5, Mounting Technology="Surface Mount", PackageDescription="3-Pin Small Outline Transistor, Body 2.92 x 1.3 mm, Pitch 0.95 mm", PackageReference=SOT-23-3-318-08, PackageVersion="Rev. AP, 11/2009", Packing="Tape and Reel", PartNumber=MMBTA42LT1G, Polarity=NPN, RoHS=TRUE
Q5: library part CMP-2000-07455-3, "MOSFET P-CH 30V 2A SSOT3", Case/Package=SOT-23, Continuous Drain Current (ID)=2A, Current Rating=-2A, Drain to Source Breakdown Voltage=-30V, Drain to Source Resistance=63mR, Drain to Source Voltage (Vdss)=30V, Gate to Source Voltage (Vgs)=20V, Input Capacitance=298pF, Max Operating Temperature=150°C, Max Power Dissipation=500mW, Min Operating Temperature=-55°C, On-State Resistance=80MR, Package Quantity=1, Contact Plating=Tin, Dual Supply Voltage=-30V, Element Configuration=Single, Fall Time=6ns, Height=0.94mm, Lead Free="Lead Free", Length=2.92mm, Mount="Surface Mount", Number of Elements=1, Number of Pins=3, Packaging="Tape and Reel", Power Dissipation=500mW, Radiation Hardening=No, Rds On Max=80mR, REACH SVHC="No SVHC", Rise Time=13ns, Threshold Voltage=20V, Turn-Off Delay Time=11ns, Turn-On Delay Time=6ns, Voltage Rating (DC)=-30V, Weight=0.03g, Width=1.4mm
Q7: library part CMP-32901-000039-1, "MOSFET N-CH 100V 17A D2PAK", Continuous Drain Current=17A, Drain to Source Breakdown Voltage=100V, Drain to Source Resistance=90mΩ, Gate To Source Voltage=20V, Input Capacitace At Vds="920pF @ 25V", Manufacturer=Infineon, Max Forward Diode Voltage=1.3V, Max Junction Temp=+175°C, Package=PG-TO263-3, Power Dissipation=3.8W, Pulse Drain Current=60A, Temperature="-55°C to +175°C", Temperature Range Low=-55°C, Automotive=No, Category=Trans, ComponentLink2Description=Datasheet, ComponentLink2URL=https://www.infineon.com/dgdl/irf530nspbf.pdf?fileId=5546d462533600a4015355e38eb4199c, Depletion Mode=False, Device Class L1="Discrete Semiconductors", Device Class L2=Transistors, Device Class L3=MOSFETs, Digikey Description="MOSFET N-CH 100V 17A D2PAK", Drain To Source Voltage=100V, Footprint Url=https://www.infineon.com/cms/en/product/packages/PG-TO263/PG-TO263-3-901/, Gate Charge At Vgs="37nC @ 10V", Height=5.084mm, Lead Free=Yes, Manufacturer Part Number=IRF530NSTRLPBF, Number Of Channels=1, Number Of N Channels=1, Octopart=https://octopart.com/irf530nstrlpbf-infineon-65873402, Reverse Recovery Charge=320nC, Reverse Recovery Time=93ns, RoHS=TRUE, Rthja Max=40°C/W, Standoff Height=0mm, Temperature Range High=+175°C, Threshold Vgs Max=4V, Threshold Vgs Min=2V, Turn Off Delay Time=35ns, Turn On Delay Time=9.2ns
U2: "AMSRI1-7805-NZ, 5V / 1A DC output converter"
U3: library part CMP-00370-134324849-1, "TLV76133 1-A 16-V high-PSRR linear voltage regulator 4-SOT-223 -40 to 125", Case/Package=SOT-223, Dropout Voltage=900mV, Manufacturer Lifecycle Status=ACTIVE, Max Junction Temperature (Tj)=125°C, Max Supply Voltage=16V, Min Operating Temperature=-40°C, Min Supply Voltage=6.5V, Nominal Supply Current=65µA, Output Current=1A, Output Voltage=5V, Accuracy=1%, Height=1.8mm, Length=6.5mm, Lifecycle Status=Production, Max Operating Temperature=125°C, NexarPartId=134324849, Number Of Channels=1, Number of Outputs=1, Number of Pins=4, Thickness=1.6mm, Width=3.5mm
U4: library part CMP-0243-00155-1, "ARM Cortex-M4 32-bit MCU+FPU, 512 KB Flash, 96 KB Internal RAM, 81 I/Os, 100-Pin LQFP, -40 to 85 degC, Tray", I/Os (High Current)=81, Operating Frequency(F) (Processor speed) (MHz)=84, Package Description=LQFP100, Package Reference="100-Pin Low Profile Quad Flat Package, Body 14 x 14 mm, Pitch 0.5 mm", Supply Voltage(Vcc) min (V)=1.7, ComponentLink1Description="Manufacturer URL", ComponentLink1URL=http://www.st.com/, ComponentLink2Description=Datasheet, ComponentLink2URL=http://www.st.com/st-web-ui/static/active/en/resource/technical/document/datasheet/DM00102166.pdf, Core="ARM Cortex-M4", DatasheetVersion="Rev. 3", FLASH Size (Prog) (kB)=512, Internal RAM Size (kB)=96, Mounting Technology="Surface Mount", Packing=Tray
U5 U6 U7: library part CMP-05679-000038-1, "IC TXRX RS485/422 10MBPS 8SOIC", Manufacturer="Maxim Integrated", Max Supply Voltage=3.6V, Min Supply Voltage=3V, Nominal Supply Current=0.95-1.1mA, Package=S8-5, Temperature="-40°C to +85°C", Temperature Range High=+85°C, Temperature Range Low=-40°C, Automotive=No, Category=IC, ComponentLink2Description=Datasheet, ComponentLink2URL=https://datasheets.maximintegrated.com/en/ds/MAX3483E-MAX3491E.pdf, Data Rate=15Mbits/s, Device Class L1="Integrated Circuits (ICs)", Device Class L2="Interface ICs", Device Class L3="RS-232 / RS-422 / RS-485 Interface ICs", Digikey Description="IC TXRX RS485/422 10MBPS 8SOIC", Footprint Url=https://pdfserv.maximintegrated.com/land_patterns/90-0096.PDF, Height=1.75mm, Interface=RS-485,RS-422, Lead Free=Yes, Manufacturer Part Number=MAX3485EESA+, Mouser Description="RS-422/RS-485 Interface IC 3.3V 12Mbps Transceiver", Number Of Receivers=1, Number Of Transmitters=1, Octopart=https://octopart.com/max3485eesa%2B-maxim+integrated-39731903, RoHS=TRUE, Simplex Duplex="Half Duplex", Standoff Height=0.1mm
X1: library part CMP-2000-05036-1, "Low Frequency Crystal, 32.768 KHz, 6 pF, +/- 20 ppm, -40 to 85 degC, 4-Pin SMD, RoHS, Tape and Reel", Case Height=2.5mm, Case Length=8mm, Case Width=3.8mm, Frequency=32.768kHz, Load Capacitance=6pF, Manufacturer=Abracon, Operating Temperature Range=-40Cto+85C, Package / Case=8mmx3.8mm, Package Description="4-Pin Surface Mount Device, Body 8 x 3.8 mm, Pitch 5.5 mm", Package Reference=ABS25, Tolerance=20PPM, Brand=ABRACON, Datasheet URL=https://datasheet.ciiva.com/854/abs25-854528.pdf, Datasheet Version=Jun-17, Dimensions=3.8mmWx8mmLx2.5mmH, ESR=50kOhms, Factory Pack Quantity=3000, Manufacturer URL=http://www.abracon.com/, Mounting Style=SMD/SMT, Packaging=Reel, Product Category=Crystals, RoHS=Details, Series=ABS25, Termination Style=SMD/SMT, Type=LowFrequencyCrystal
XF1: library part CMP-1502-00235-2, Fuse Current=10A, Max Operating Temperature=120°C, Min Operating Temperature=-30°C, Voltage Rating (AC)=250V, Height=11.6mm, Mount="Through Hole", NexarPartId=56808805, Packaging=Box, REACH SVHC=Unknown, RoHS=Non-Compliant
Y1: library part CMP-27762-013261-1, "XTAL Oscillator 8MHz ±30ppm HCMOS, TTL 3.3V 4-SMD 5mm x 3.2mm", Case/Package=SMD/SMT, Frequency=8MHz, Frequency Stability=30ppm, Load Capacitance=15pF, Max Operating Temperature=70°C, Max Supply Current=15mA, Max Supply Voltage=3.63V, Min Operating Temperature=-20°C, Min Supply Voltage=2.97V, Operating Frequency="8 MHz", Operating Supply Voltage=3.3V, Package Quantity=1000, Depth=3.2mm, Height=0.051inch, Lead Free="Lead Free", Length=5mm, Mount="Surface Mount", Number of Pins=4, Packaging="Tape and Reel", Radiation Hardening=No, Series=ASFL1, Termination=SMD/SMT, Width=0.126inch

## Free pads (board coordinates)
  rect 68.9x68.9 hole 45.28 paste-99999 mask+0: 1(2465.28,750)
  round 68.9 hole 45.28 paste-99999 mask+0: 2(1874.72,750)
  round 196.85 hole 125.98: MH1(404.24,3965.84) MH2(5994.79,3965.84) MH3(404.24,343.79) MH4(5994.79,343.79)

## Via types
v1: diameter 60, hole 35, Top Layer to Bottom Layer, tented both sides, 199 vias
v2: diameter 17.72, hole 11.81, Top Layer to Bottom Layer, tented both sides, 68 vias
v3: diameter 35.43, hole 23.62, Top Layer to Bottom Layer, tented both sides, 53 vias
v4: diameter 23.62, hole 15.75, Top Layer to Bottom Layer, tented both sides, 19 vias

## Nets (pads, with @x,y where several pads share a name; then routed paths per layer and width w, separated by ;. In a path a pad name is that pad's centre, name@x,y a point inside that pad or via, vN(x,y) a via of type N, cw(c..) or ccw(c..) an arc to the next point about the centre after c; other vN are vias at no path point)
+3.3: C1.1 C9.2 C10.1 C13.1 C15.1 C16.1 C17.1 C18.1 C19.1 C20.1 C21.1 C22.1 C23.1 C26.1 C27.1 C28.1 D3.2 D5.2 D7.2 J7.4 P1.1 P2.1 P3.37 pad.1 R13.2 R14.2 R17.2 R18.2 R19.2 R20.2 R21.2 R22.2 R28.2 R31.2 R34.2 U1.4 U3.2 U3.4 U4.11 U4.19 U4.21 U4.22 U4.28 U4.50 U4.75 U4.100 U5.8 U6.8 U7.8 Y1.4 | length 5929.5
  Top Layer w8: v1(1505,3510) 1688,3693 R13.2@1688,3752.52 ; v1@1542.72,862.28 v1(1545,860) ; U7.8@2133.39,3060 U7.8@2136.34,3057.05 ; U5.8@2898.5,3050 U5.8@2901.46,3047.05 ; C27.1@3540,3060 3632.05,3060 U6.8@3635,3057.05 ; v4(4230,2200) 4243.15,2186.85 U4.28@4287.48,2186.85 ; v4(4238,1733) 4258.78,1753.78 U4.50@4287.48,1753.78 ; U4.22@4406.57,2286.26 4407,2286.68 4407,2335 v4(4415,2343) 4426.26,2331.74 U4.21@4426.26,2286.26 ; U4.19@4465.63,2286.26 v4(4465.63,2336.63) ; v4(4623,2351) 4623.11,2350.89 U4.11@4623.11,2286.26 ; U4.75@4819.96,1693.74 4819.96,1656.04 v4(4831,1645) ; U4.100@4880,2226.22 4912.22,2226.22 4921,2235 v4(4921,2245.67) ; v3(5430,2680) 5430.52,2680.52 R19.2@5492,2680.52 5493.96,2682.48 R21.2@5566,2682.48
  Top Layer w25: C28.1@2033.06,3060 U7.8@2133.39,3060 ; C26.1@2788.18,3050 U5.8@2898.5,3050
  Top Layer w30: U1.4@1365,769 1366.72,769 C1.1@1460,862.28 ; v1(2785,2970) 2788.18,2973.18 C26.1@2788.18,3050 ; v1@3219.53,3309.53 v1(3220,3310) ; C27.1@3540,3060 C27.1@3540.95,3059.05 ; R14.2@4342.48,2730 4353.31,2719.17 Y1.4@4353.31,2620 4361.58,2611.72 C10.1@4460,2611.72 v3(4460,2667) ; v3(5500,1300) 5508.28,1291.72 C13.1@5560,1291.72 5572.28,1304 5674,1304 P3.37@5680,1310 ; R17.2@5883,2981.48 v3(5933.52,2981.48) ; R18.2@5938.48,2818 R20.2@5938.48,2717 5939.48,2716 R22.2@5939.48,2614 v3(5939.48,2555.52)
  Top Layer w45: C1.1@1460,862.28 v1@1542.72,862.28 ; v1(2033.06,2983.06) C28.1@2033.06,3060
  Top Layer w60: v1(1505,3510) v1(1505,3435) 1455,3435 1430,3410 v1(1430,3395) 1431.57,3393.43 C9.2@1431.57,3310 1431.57,3142.6 U3.4@1520,3054.17 U3.2@1520,2825.83 ; D7.2@2445,3219.41 v1(2445,3325) ; D3.2@3219.53,3210 v1@3219.53,3309.53 ; v1(3540.95,2974.05) C27.1@3540.95,3059.05 ; D5.2@3963.07,3220 3963.07,3313.07 v1(3965,3315)
  Top Layer w100: v1(3805,1790) 3805,1565 v1(3820,1550)
  Bottom Layer w8: v4(4183,2233) 4183.35,2232.65 C23.1@4183.35,2189 4194.35,2200 v4(4230,2200) ; v3(4195,1572) 4196.72,1573.72 C15.1@4196.72,1626 4200.35,1629.63 C18.1@4200.35,1702 4231.35,1733 v4(4238,1733) ; C16.1@4275,2385.28 C16.1@4278.72,2389 ; C19.1@4400,2389.65 4415,2374.65 v4(4415,2343) ; v4(4465.63,2336.63) 4465.63,2380.63 4474.65,2389.65 C21.1@4500,2389.65 4520,2369.65 v2(4520,2350) ; v2@4570,2419.65 v2(4570,2420) ; v4(4831,1645) 4831,1643.35 C20.1@4866,1608.35 4908.35,1608.35 v2(4910,1610)
  Bottom Layer w30: R34.2@2381.34,3640 2410,3640 2455,3595 2455,3335 v1(2445,3325) ; R28.2@3128.94,3640 3165,3640 3220,3585 v1(3220,3310) ; R31.2@3882.48,3640 3925,3640 3965,3600 v1(3965,3315) ; v4(4222,2386) 4222.72,2385.28 C16.1@4275,2385.28 ; C16.1@4278.72,2389 v4(4323,2389) ; v2@4570,2419.65 C22.1@4600,2389.65 4623,2366.65 v4(4623,2351) ; v4(4921,2245.67) 4921,2275.65 C17.1@4884,2275.65 4909.35,2301 v3(4931,2301)
  Bottom Layer w35: C19.1@4400,2389.65 C21.1@4500,2389.65
  other v1: 1590,1260 1740,1265 1615,1430 1775,1430 3835.81,2482.61 2055,2495 2175,2495 2360,2495 2775,2495 3065,2500 2920,2500.27 3195,2505 3340,2505 4015,2615 1885,2665 2005,2670 2530,2670 2645,2670 2785,2675 3635.81,2687.61 4105,2705 4195,2795 3925,2800 4015,2880 4295,2890 4370,2970 4115,2980 4440,3040 4195,3055 4520,3115 4270,3125 4605,3195 4340,3200 4415,3280 4495,3355